# Allegro board reServer industrial J401 Carrier Board v11.brd (continued)
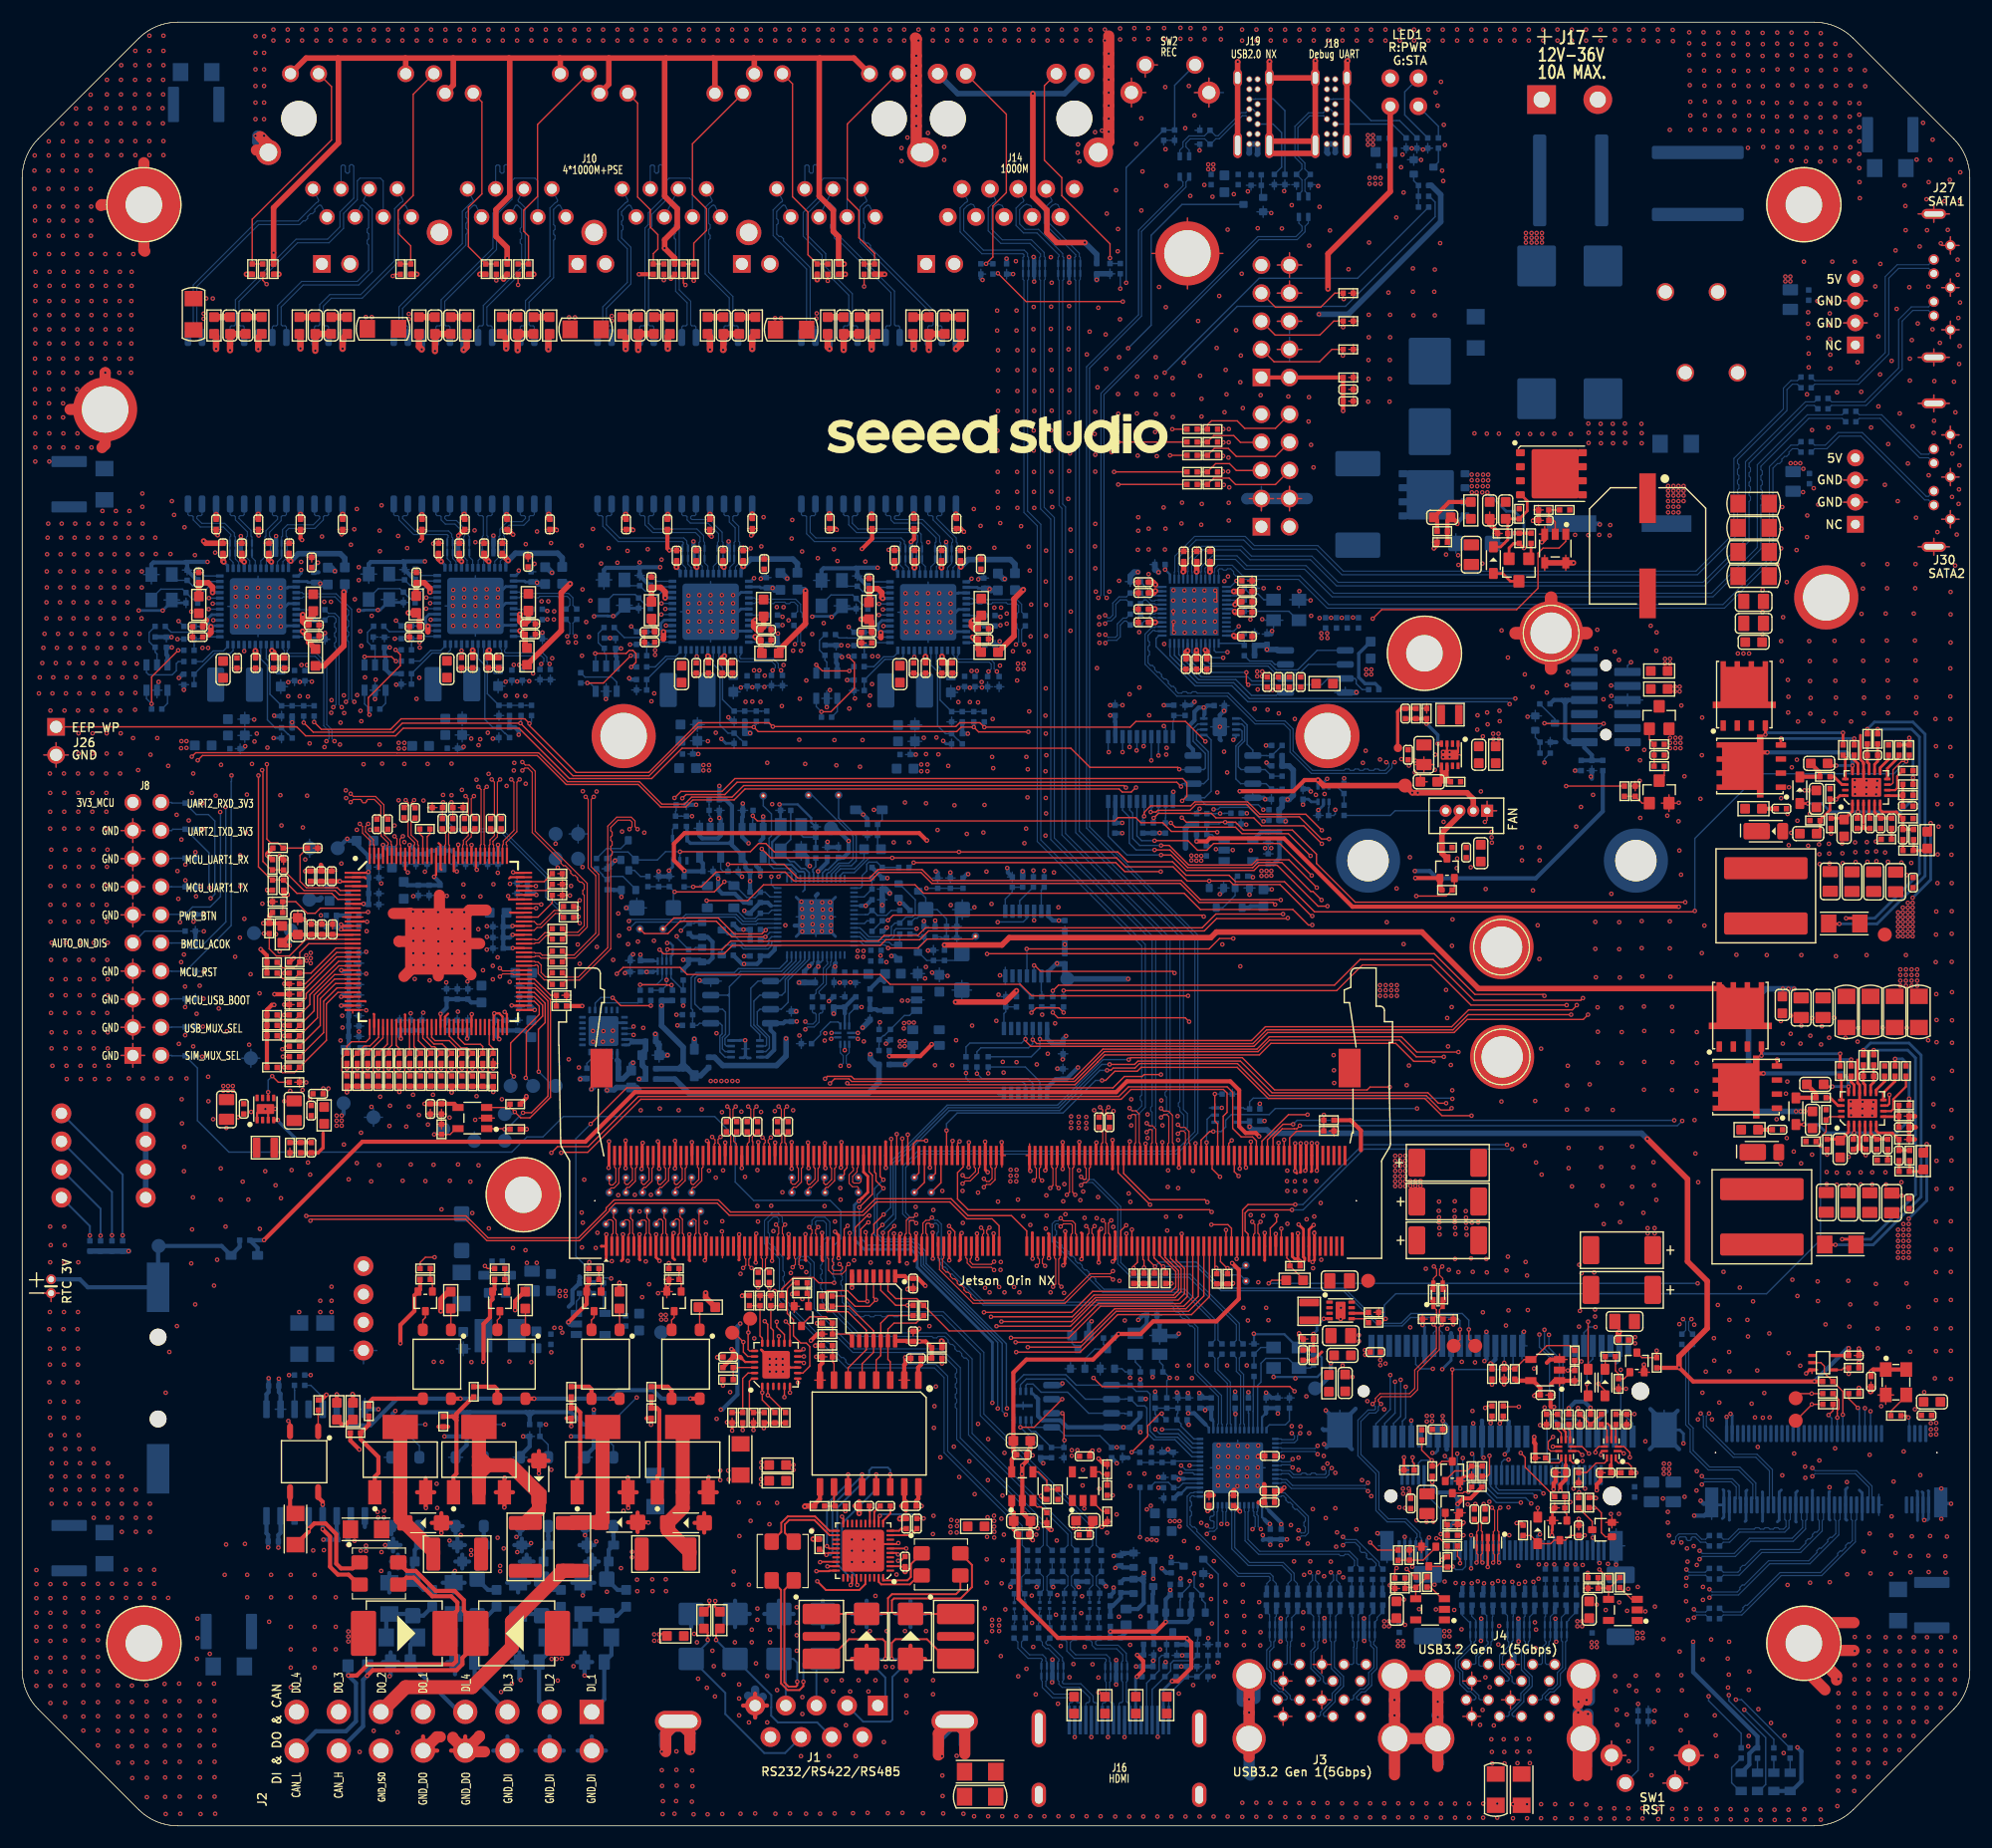
[diagram p0: board, top side]
## Routing (per net, layer and track width the routed paths; a pad name or vN(x,y) marks a point on that pad's centre or on a via; arc(x,y) is an arc through that point) (continued)
MXA_P_31560075: length 15.5
  BOTTOM w0.102: T4.13 70.41,135.46 70.51,135.56 70.78,135.56 70.88,135.66 70.88,140.69 67.86,143.71 67.86,146.03 68.53,146.7 68.66,146.76 68.71,146.9 J10.D1
MXB_N: length 26.4
  BOTTOM w0.102: T1.17 20.07,135.46 19.97,135.56 19.7,135.56 19.6,135.66 19.6,137.77 24.89,143.06 27.74,143.06 29.04,144.37 29.04,145.71 30.29,146.96 30.29,148.66 30.52,148.9 32.38,148.9 32.63,148.64 J10.A6
MXB_N_31552088: length 22.8
  BOTTOM w0.102: T2.17 38.66,135.46 38.56,135.56 38.29,135.56 38.19,135.66 38.19,137.77 42.87,142.45 42.87,145.6 44.26,146.99 44.26,148.66 44.49,148.9 46.35,148.9 46.6,148.64 J10.B6
MXB_N_31557455: length 21
  BOTTOM w0.102: T3.17 57.08,135.46 56.97,135.56 56.71,135.56 56.6,135.66 56.6,144.27 56.91,144.57 56.91,145.64 58.23,146.96 58.23,148.66 58.46,148.9 60.32,148.9 60.57,148.64 J10.C6
MXB_N_31560085: length 22.5
  BOTTOM w0.102: J10.D6 74.54,148.64 74.29,148.9 72.43,148.9 72.2,148.66 72.2,146.96 70.9,145.66 70.9,143.79 72.61,142.08 72.61,140.87 75.02,138.46 75.02,135.66 75.12,135.56 75.39,135.56 75.49,135.46 T4.17
MXB_P: length 26.5
  BOTTOM w0.102: J10.A3 28.82,149.98 28.92,150.08 29.1,150.08 29.2,149.98 29.2,149.48 29.33,149.35 29.47,149.35 29.57,149.46 29.57,150.01 29.68,150.11 29.84,150.11 29.96,149.99 29.96,147.09 28.72,145.85 28.72,144.5 27.6,143.39 24.75,143.39 19.27,137.9 19.27,135.66 19.17,135.56 18.9,135.56 18.8,135.46 T1.16
MXB_P_31552087: length 22.9
  BOTTOM w0.102: J10.B3 42.79,149.98 42.89,150.08 43.07,150.08 43.17,149.98 43.17,149.48 43.3,149.35 43.44,149.35 43.54,149.46 43.54,150.01 43.65,150.11 43.81,150.11 43.93,149.99 43.93,147.12 42.54,145.73 42.54,142.58 37.86,137.9 37.86,135.66 37.76,135.56 37.49,135.56 37.39,135.46 T2.16
MXB_P_31557454: length 21
  BOTTOM w0.102: T3.16 55.81,135.46 55.91,135.56 56.18,135.56 56.28,135.66 56.28,144.4 56.58,144.71 56.58,145.77 57.9,147.09 57.9,149.99 57.78,150.11 57.62,150.11 57.51,150.01 57.51,149.46 57.41,149.35 57.27,149.35 57.14,149.48 57.14,149.98 57.04,150.08 56.86,150.08 56.76,149.98 J10.C3
MXB_P_31560084: length 22.6
  BOTTOM w0.102: J10.D3 70.73,149.98 70.83,150.08 71.01,150.08 71.11,149.98 71.11,149.48 71.24,149.35 71.38,149.35 71.48,149.46 71.48,150.01 71.59,150.11 71.75,150.11 71.87,149.99 71.87,147.09 70.58,145.8 70.58,143.65 72.29,141.95 72.29,140.74 74.69,138.33 74.69,135.66 74.59,135.56 74.32,135.56 74.22,135.46 T4.16
MXC_N: length 20.6
  BOTTOM w0.102: T1.20 23.88,135.46 23.78,135.56 23.51,135.56 23.41,135.66 23.41,137.26 25.39,139.25 30.42,139.25 31.64,140.46 31.64,146.1 31.06,146.67 30.89,146.76 30.84,146.9 J10.A5
MXC_N_31552098: length 15.6
  BOTTOM w0.102: J10.B5 44.81,146.9 44.86,146.76 44.99,146.7 45.46,146.23 45.46,140.72 42,137.26 42,135.66 42.1,135.56 42.37,135.56 42.47,135.46 T2.20
MXC_N_31557465: length 14.6
  BOTTOM w0.102: J10.C5 58.78,146.9 58.83,146.76 58.96,146.7 59.38,146.28 59.38,138.81 60.41,137.78 60.41,135.66 60.52,135.56 60.78,135.56 60.89,135.46 T3.20
MXC_N_31560095: length 16.4
  BOTTOM w0.102: T4.20 79.3,135.46 79.2,135.56 78.93,135.56 78.83,135.66 78.83,138.69 73.49,144.03 73.49,146.15 72.97,146.67 72.8,146.76 72.75,146.9 J10.D5
MXC_P: length 20.4
  BOTTOM w0.102: T1.19 22.61,135.46 22.71,135.56 22.98,135.56 23.08,135.66 23.08,137.39 25.26,139.57 30.29,139.57 31.31,140.59 31.31,142.85 31.18,142.98 31.18,143.28 31.31,143.41 31.31,143.87 31.18,144 31.18,144.3 31.31,144.43 31.31,145.97 30.87,146.41 30.74,146.47 30.61,146.43 J10.A4
MXC_P_31552090: length 15.5
  BOTTOM w0.102: T2.19 41.2,135.46 41.3,135.56 41.57,135.56 41.67,135.66 41.67,137.39 45.13,140.85 45.13,142.9 45.01,143.03 45.01,143.33 45.13,143.46 45.13,143.92 45.01,144.05 45.01,144.35 45.13,144.48 45.13,146.09 44.79,146.43 44.71,146.47 44.58,146.43 J10.B4
MXC_P_31557457: length 14.4
  BOTTOM w0.102: J10.C4 58.55,146.43 58.68,146.47 58.76,146.43 59.05,146.14 59.05,144.78 58.92,144.66 58.92,144.35 59.05,144.22 59.05,143.92 58.92,143.79 58.92,143.49 59.05,143.36 59.05,138.68 60.09,137.64 60.09,135.66 59.99,135.56 59.72,135.56 59.62,135.46 T3.19
MXC_P_31560087: length 16.3
  BOTTOM w0.102: J10.D4 72.52,146.43 72.65,146.47 72.72,146.44 72.78,146.41 73.17,146.02 73.17,144.83 73.04,144.71 73.04,144.4 73.17,144.27 73.17,143.89 73.38,143.68 73.38,143.5 73.6,143.28 73.78,143.28 78.5,138.56 78.5,135.66 78.4,135.56 78.13,135.56 78.03,135.46 T4.19
MXD_N: length 18.5
  BOTTOM w0.102: J10.A8 34.65,146.43 34.52,146.47 34.39,146.41 33.98,146 33.98,145.21 34.1,145.09 34.1,144.78 33.98,144.66 33.98,144.35 34.1,144.22 34.1,143.92 33.98,143.79 33.98,141.3 30.73,138.05 27.93,138.05 27.22,137.34 27.22,135.66 27.32,135.56 27.59,135.56 27.69,135.46 T1.23
MXD_N_31552110: length 15
  BOTTOM w0.102: J10.B8 48.62,146.43 48.49,146.47 48.42,146.44 48.36,146.41 48.02,146.07 48.02,144.71 48.15,144.58 48.15,144.27 48.02,144.15 48.02,143.84 48.15,143.72 48.15,143.41 48.02,143.28 48.02,139.9 45.81,137.69 45.81,135.66 45.91,135.56 46.18,135.56 46.28,135.46 T2.23
MXD_N_31557477: length 14.9
  BOTTOM w0.102: J10.C8 62.59,146.43 62.46,146.47 62.33,146.41 62.04,146.12 62.04,144.81 62.17,144.68 62.17,144.38 62.04,144.25 62.04,143.87 62.17,143.74 62.17,143.44 62.04,143.31 62.04,140.39 64.22,138.21 64.22,135.66 64.33,135.56 64.59,135.56 64.7,135.46 T3.23
MXD_N_31560107: length 16.7
  BOTTOM w0.102: T4.23 83.11,135.46 83.01,135.56 82.74,135.56 82.64,135.66 82.64,136.66 76.66,142.64 76.66,142.82 76.44,143.04 76.26,143.04 76.04,143.26 76.04,144.3 76.17,144.43 76.17,144.73 76.04,144.86 76.04,146.15 76.3,146.41 76.43,146.47 76.56,146.43 J10.D8
MXD_P: length 18.7
  BOTTOM w0.102: T1.22 26.42,135.46 26.52,135.56 26.79,135.56 26.89,135.66 26.89,137.47 27.8,138.38 30.59,138.38 33.65,141.44 33.65,146.13 34.2,146.67 34.37,146.76 34.42,146.9 J10.A7
MXD_P_31552108: length 15.1
  BOTTOM w0.102: T2.22 45.01,135.46 45.11,135.56 45.38,135.56 45.48,135.66 45.48,137.82 47.7,140.04 47.7,146.21 48.17,146.67 48.34,146.76 48.39,146.9 J10.B7
MXD_P_31557475: length 15.1
  BOTTOM w0.102: T3.22 63.43,135.46 63.53,135.56 63.8,135.56 63.9,135.66 63.9,138.07 61.72,140.25 61.72,146.26 62.14,146.67 62.31,146.76 62.36,146.9 J10.C7
MXD_P_31560105: length 16.9
  BOTTOM w0.102: T4.22 81.84,135.46 81.94,135.56 82.21,135.56 82.31,135.66 82.31,136.52 75.71,143.12 75.71,146.28 76.11,146.67 76.28,146.76 76.33,146.9 J10.D7
P2T0_N: length 2.3
  TOP w0.107: C405.1 64.04,62.32 64.04,61.84 64.03,61.83 J9.46
P2T0_P: length 2.3
  TOP w0.107: C404.1 64.3,62.46 64.3,61.86 64.53,61.64 J9.48
P3T0_N: length 2.3
  TOP w0.107: J9.64 68.53,61.64 68.65,61.75 68.65,62.33 C407.1
P3T0_P: length 2.3
  TOP w0.107: C406.1 68.92,62.42 68.92,61.75 69.03,61.64 J9.66
P_RXN0: length 2.3
  BOTTOM w0.107: C555.2 101.42,108.88 101.84,108.88 102.18,109.23 102.33,109.23 102.4,109.16 U76.17
P_RXP0: length 2.3
  BOTTOM w0.107: C556.2 101.41,109.15 101.73,109.15 102.07,109.5 102.33,109.5 102.4,109.56 U76.18
P_TXN0: length 2.3
  BOTTOM w0.107: C557.2 101.4,110.79 101.57,110.79 101.93,110.43 102.33,110.43 102.4,110.36 U76.20
P_TXP0: length 2.3
  BOTTOM w0.107: U76.21 102.4,110.76 102.33,110.7 102.05,110.7 101.69,111.06 101.41,111.06 C558.2
PCIE0_CLK_N: length 95.5
  TOP w0.107: v1(94.4,57.03) 94.65,57.27 94.65,59.41 94.53,59.53 J9.160
  LAY4 w0.084: v1(94.4,57.03) 94.66,56.76 94.66,53.41 96.38,51.7 96.38,50.35 98.62,48.11 150.11,48.11 155.33,42.89 155.33,36.53 160.02,31.85 161.5,31.85 v1(161.76,31.58)
  BOTTOM w0.107: J21.53 166.77,29.46 166.89,29.57 166.89,30.59 165.65,31.83 162.01,31.83 v1(161.76,31.58)
PCIE0_CLK_P: length 95.5
  TOP w0.107: J9.162 95.03,59.53 94.92,59.41 94.92,57.27 v1(95.16,57.03)
  LAY4 w0.084: v1(95.16,57.03) 94.9,56.76 94.9,53.51 96.61,51.79 96.61,50.45 98.72,48.35 150.2,48.35 155.57,42.98 155.57,36.63 160.11,32.08 161.5,32.08 v1(161.76,32.34)
  BOTTOM w0.107: v1(161.76,32.34) 162.01,32.1 165.76,32.1 167.16,30.71 167.16,29.57 167.27,29.46 J21.55
PCIE0_CLKREQ: length 81.2
  TOP w0.127: J9.180 99.53,58.96 101.9,56.59 106.87,56.59 v1(107.1,56.36)
  LAY4 w0.127: v1(107.1,56.36) 107.08,56.34 107.08,55.22 107.48,54.82 108.38,54.82 110.64,52.56 153.13,52.56 164.51,41.17 164.51,40.08 166.52,38.07 v1(166.52,37.75)
  BOTTOM w0.127: J21.52 v1(166.52,37.75)
PCIE0_RST: length 78.7
  TOP w0.127: R217.2 165.05,38.61 v1(165.88,37.78) ; J9.181 v1(99.78,53.52)
  LAY4 w0.127: v1(99.78,53.52) 101,52.3 152.87,52.3 164.15,41.02 164.15,39.93 165.88,38.2 v1(165.88,37.78)
  BOTTOM w0.127: J21.50 166.02,37.63 v1(165.88,37.78)
PCIE0_RX0_N: length 103.9
  TOP w0.107: J9.131 85.28,51.33 85.4,51.21 85.4,50.87 85.79,50.47 87.58,50.47 v1(87.83,50.23)
  LAY4 w0.084: v1(152.47,21.38) 152.21,21.12 149.72,21.12 149.5,21.33 149.5,21.51 149.28,21.73 149.11,21.73 148.89,21.95 148.89,22.12 148.67,22.34 148.49,22.34 148.28,22.56 148.28,22.74 148.06,22.95 147.88,22.95 147.67,23.17 147.67,23.35 147.45,23.56 147.27,23.56 146.19,24.64 146.19,30.66 144.34,32.51 134.35,32.51 132.16,34.7 122.98,34.7 116.48,41.2 95.27,41.2 87.12,49.35 87.12,50.37 87.24,50.49 87.56,50.49 v1(87.83,50.23)
  BOTTOM w0.107: v1(152.47,21.38) 152.71,21.14 154.98,21.14 155.22,21.37 155.22,21.55 155.43,21.76 155.61,21.76 157.8,23.95 161.43,23.95 162.18,24.7 162.18,24.88 162.39,25.09 162.57,25.09 163.15,25.67 163.15,25.85 163.37,26.07 163.55,26.07 163.89,26.41 163.89,27.58 163.77,27.7 J21.41
PCIE0_RX0_P: length 103.9
  TOP w0.107: v1(87.83,50.99) 87.58,50.74 85.9,50.74 85.67,50.98 85.67,51.21 85.78,51.33 J9.133
  LAY4 w0.084: v1(152.47,20.62) 152.21,20.88 149.62,20.88 145.96,24.54 145.96,30.56 144.24,32.28 134.25,32.28 132.06,34.46 122.88,34.46 116.38,40.97 95.17,40.97 86.89,49.25 86.89,50.47 87.14,50.73 87.56,50.73 v1(87.83,50.99)
  BOTTOM w0.107: J21.43 164.27,27.7 164.16,27.58 164.16,26.29 161.55,23.69 157.91,23.69 155.09,20.87 152.71,20.87 v1(152.47,20.62)
PCIE0_RX1_N: length 99.4
  TOP w0.107: J9.137 86.78,53.44 86.9,53.55 86.9,53.81 v1(86.65,54.06)
  LAY4 w0.084: v1(86.65,54.06) 86.91,54.32 86.91,54.8 87.24,55.13 87.97,55.13 90.06,53.04 90.06,49.1 95.98,43.18 96.28,43.18 96.41,43.31 96.72,43.31 96.84,43.18 97.15,43.18 97.27,43.31 97.58,43.31 97.71,43.18 98.01,43.18 98.14,43.31 98.44,43.31 98.57,43.18 98.87,43.18 99,43.31 99.31,43.31 99.43,43.18 118.97,43.18 124.43,37.72 129.64,37.72 130.37,36.98 143.88,36.98 147.85,33.02 147.85,26.19 149.44,24.6 151.32,24.6 v1(151.58,24.86)
  BOTTOM w0.107: v1(151.58,24.86) 151.82,24.62 154.7,24.62 156.07,25.99 159.94,25.99 160.89,26.94 160.89,27.58 160.77,27.7 J21.29
PCIE0_RX1_P: length 99.5
  TOP w0.107: v1(87.41,54.06) 87.17,53.81 87.17,53.55 87.28,53.44 J9.139
  LAY4 w0.084: v1(151.58,24.1) 151.32,24.36 149.34,24.36 147.61,26.09 147.61,32.92 143.78,36.75 143.48,36.75 143.35,36.62 143.05,36.62 142.92,36.75 142.62,36.75 142.49,36.62 142.18,36.62 142.06,36.75 141.75,36.75 141.63,36.62 141.32,36.62 141.19,36.75 140.89,36.75 140.76,36.62 140.46,36.62 140.33,36.75 130.28,36.75 129.54,37.49 124.33,37.49 118.87,42.95 95.88,42.95 89.82,49 89.82,52.94 87.88,54.89 87.34,54.89 87.15,54.7 87.15,54.32 v1(87.41,54.06)
  BOTTOM w0.107: v1(151.58,24.1) 151.82,24.35 154.82,24.35 156.19,25.72 160.05,25.72 161.16,26.83 161.16,27.58 161.27,27.7 J21.31
PCIE0_RX2_N: length 80.5
  TOP w0.107: J9.149 91.78,51.33 91.92,51.19 91.92,50.85 v1(91.68,50.6)
  LAY4 w0.084: v1(151.68,37.27) 151.94,37.53 151.94,37.87 151.79,38.02 149.37,38.02 147.04,40.36 126.64,40.36 120.8,46.2 97.33,46.2 93.77,49.75 92.13,49.75 91.91,49.98 91.91,50.37 v1(91.68,50.6)
  BOTTOM w0.107: v1(151.68,37.27) 151.92,37.03 151.92,36.01 154.62,33.31 156.66,33.31 157.89,32.08 157.89,29.57 157.77,29.46 J21.17
PCIE0_RX2_P: length 80.5
  TOP w0.107: v1(92.43,50.6) 92.19,50.85 92.19,51.24 92.28,51.33 J9.151
  LAY4 w0.084: v1(152.43,37.27) 152.17,37.53 152.17,37.97 151.88,38.25 149.47,38.25 147.13,40.59 126.74,40.59 120.9,46.43 97.43,46.43 93.87,49.99 92.23,49.99 92.15,50.07 92.15,50.32 v1(92.43,50.6)
  BOTTOM w0.107: v1(152.43,37.27) 152.19,37.03 152.19,36.12 154.73,33.58 156.77,33.58 158.16,32.19 158.16,29.57 158.27,29.46 J21.19
PCIE0_RX3_N: length 76
  TOP w0.107: v1(93.15,48.72) 93.4,48.96 93.4,51.21 93.28,51.33 J9.155
  LAY4 w0.084: v1(93.15,48.72) 93.39,48.48 93.39,47.93 96.39,44.93 120.82,44.93 126.5,39.25 144.25,39.25 150.41,33.1 150.41,31.8 151.1,31.11 151.52,31.11 v1(151.78,30.85)
  BOTTOM w0.107: J21.5 154.77,29.46 154.89,29.57 154.89,30.64 154.43,31.09 152.03,31.09 v1(151.78,30.85)
PCIE0_RX3_P: length 76.1
  TOP w0.107: J9.157 93.78,51.33 93.67,51.21 93.67,48.96 v1(93.91,48.72)
  LAY4 w0.084: v1(151.78,31.61) 151.52,31.35 151.2,31.35 150.64,31.9 150.64,33.19 144.35,39.49 126.59,39.49 120.92,45.16 96.49,45.16 93.62,48.03 93.62,48.43 v1(93.91,48.72)
  BOTTOM w0.107: v1(151.78,31.61) 152.03,31.36 154.54,31.36 155.16,30.75 155.16,29.57 155.27,29.46 J21.7
PCIE0_TX0_M2_N: length 18.4
  BOTTOM w0.107: C264.1 153.72,19.33 155.28,19.33 155.5,19.54 155.5,19.72 155.71,19.94 155.89,19.94 158.84,22.89 162.5,22.89 164.06,24.44 164.06,24.62 164.27,24.84 164.45,24.84 164.78,25.16 164.78,25.34 164.99,25.56 165.17,25.56 165.39,25.77 165.39,27.58 165.27,27.7 J21.47
PCIE0_TX0_M2_P: length 18.5
  BOTTOM w0.107: C265.1 153.72,19.06 155.39,19.06 158.96,22.62 162.61,22.62 165.66,25.66 165.66,27.58 165.77,27.7 J21.49
PCIE0_TX0_N: length 97.5
  TOP w0.107: J9.134 86.03,59.53 86.15,59.41 86.15,59.13 85.56,58.55 85.22,58.55 v1(84.98,58.79)
  LAY4 w0.084: v1(84.98,58.79) 85.25,58.52 85.52,58.52 85.74,58.3 85.74,56.97 84.45,55.68 84.45,50.68 95.17,39.96 116.45,39.96 122.47,33.94 125.95,33.94 127.2,32.69 132.88,32.69 134.38,31.19 144.42,31.19 145.25,30.36 145.25,24.16 147.66,21.75 147.84,21.75 148.05,21.54 148.05,21.36 148.27,21.14 148.45,21.14 148.66,20.93 148.66,20.75 148.88,20.53 149.06,20.53 149.28,20.32 149.28,20.14 149.49,19.92 149.67,19.92 149.89,19.71 149.89,19.53 150.1,19.31 150.81,19.31 v1(151.07,19.57)
  BOTTOM w0.107: v1(151.07,19.57) 151.31,19.33 152.12,19.33 C264.2
PCIE0_TX0_P: length 97.6
  TOP w0.107: v1(84.98,58.04) 85.22,58.28 85.68,58.28 86.42,59.02 86.42,59.41 86.53,59.53 J9.136
  LAY4 w0.084: v1(151.07,18.81) 150.81,19.07 150,19.07 145.02,24.06 145.02,30.26 144.32,30.96 134.29,30.96 132.79,32.46 127.1,32.46 125.85,33.7 122.37,33.7 116.35,39.72 95.07,39.72 84.21,50.58 84.21,55.78 85.51,57.07 85.51,58.2 85.42,58.29 85.23,58.29 v1(84.98,58.04)
  BOTTOM w0.107: v1(151.07,18.81) 151.31,19.06 152.12,19.06 C265.2
PCIE0_TX1_M2_N: length 13.3
  BOTTOM w0.107: J21.35 162.27,27.7 162.39,27.58 162.39,26.76 162.17,26.55 161.99,26.55 161.78,26.33 161.78,26.15 161.56,25.93 161.38,25.93 161.16,25.72 161.16,25.54 160.6,24.97 157.09,24.97 155.65,23.53 155.47,23.53 155.25,23.31 155.25,23.13 155.04,22.92 153.73,22.92 C276.1
PCIE0_TX1_M2_P: length 13.5
  BOTTOM w0.107: C277.1 153.73,22.65 155.15,22.65 157.2,24.7 160.71,24.7 162.66,26.65 162.66,27.58 162.77,27.7 J21.37
PCIE0_TX1_N: length 95.9
  TOP w0.107: J9.140 87.53,59.53 87.65,59.41 87.65,58.5 87.38,58.23 87.15,58.23 v1(86.91,58.48)
  LAY4 w0.084: v1(150.39,23.16) 150.12,22.9 149.58,22.9 149.34,23.15 149.34,23.33 149.12,23.54 148.94,23.54 148.63,23.86 148.63,24.04 148.41,24.25 148.23,24.25 147.88,24.61 147.88,24.79 147.66,25 147.48,25 147.03,25.45 147.03,32.57 143.81,35.79 123.41,35.79 116.93,42.27 95.55,42.27 89.2,48.62 89.2,51.77 88.26,52.71 86.07,52.71 85.77,53.01 85.77,55.09 87.88,57.21 87.88,57.89 87.55,58.22 87.17,58.22 v1(86.91,58.48)
  BOTTOM w0.107: C276.2 152.44,23.26 152.09,22.92 150.63,22.92 v1(150.39,23.16)
PCIE0_TX1_P: length 96
  TOP w0.107: J9.142 88.03,59.53 87.92,59.41 87.92,58.39 87.49,57.97 87.15,57.97 v1(86.91,57.72)
  LAY4 w0.084: v1(150.39,22.4) 150.12,22.67 149.49,22.67 146.8,25.36 146.8,32.47 143.71,35.55 123.31,35.55 116.84,42.03 95.45,42.03 88.96,48.52 88.96,51.67 88.16,52.47 85.97,52.47 85.53,52.91 85.53,55.19 87.65,57.3 87.65,57.79 87.45,57.98 87.17,57.98 v1(86.91,57.72)
  BOTTOM w0.107: v1(150.39,22.4) 150.63,22.65 152.11,22.65 C277.2 152.48,22.3
PCIE0_TX2_M2_N: length 8.9
  BOTTOM w0.107: J21.23 159.27,27.7 159.39,27.58 159.39,27.04 159.16,26.82 158.79,26.82 158.67,26.94 158.36,26.94 158.23,26.82 157.93,26.82 157.8,26.94 157.5,26.94 157.37,26.82 157.07,26.82 156.94,26.94 156.63,26.94 156.51,26.82 155.1,26.82 154.18,25.9 153.72,25.9 C283.1
PCIE0_TX2_M2_P: length 9.1
  BOTTOM w0.107: C284.1 153.72,25.63 154.3,25.63 155.21,26.55 159.28,26.55 159.66,26.93 159.66,27.58 159.77,27.7 J21.25
PCIE0_TX2_N: length 89.2
  TOP w0.107: v1(91.4,58.32) 91.65,58.56 91.65,59.41 91.53,59.53 J9.148
  LAY4 w0.084: v1(91.4,58.32) 91.66,58.06 91.66,53.32 90.69,52.34 90.69,49.31 96.17,43.83 119.15,43.83 124.72,38.26 140.34,38.26 140.47,38.14 140.77,38.14 140.9,38.26 141.2,38.26 141.33,38.14 141.64,38.14 141.76,38.26 142.07,38.26 142.2,38.14 142.5,38.14 142.63,38.26 142.93,38.26 143.06,38.14 143.36,38.14 143.49,38.26 143.8,38.26 149.44,32.62 149.44,25.87 v1(149.18,25.61)
  BOTTOM w0.107: v1(149.18,25.61) 149.42,25.85 149.42,26.12 149.68,26.38 151.28,26.38 151.77,25.9 152.12,25.9 C283.2
PCIE0_TX2_P: length 89.2
  TOP w0.107: J9.150 92.03,59.53 91.92,59.41 91.92,58.56 v1(92.16,58.32)
  LAY4 w0.084: v1(149.93,25.61) 149.67,25.87 149.67,32.72 143.89,38.5 124.82,38.5 119.25,44.06 100.07,44.06 99.94,44.19 99.64,44.19 99.51,44.06 98.86,44.06 98.73,44.19 98.42,44.19 98.3,44.06 97.99,44.06 97.87,44.19 97.56,44.19 97.43,44.06 97.13,44.06 97,44.19 96.7,44.19 96.57,44.06 96.26,44.06 90.92,49.41 90.92,52.25 91.9,53.22 91.9,58.06 v1(92.16,58.32)
  BOTTOM w0.107: v1(149.93,25.61) 149.69,25.85 149.69,26.01 149.8,26.11 150.29,26.11 150.39,26.01 150.39,25.89 150.5,25.78 150.71,25.78 150.82,25.89 150.82,26.01 150.93,26.11 151.17,26.11 151.66,25.63 152.12,25.63 C284.2
PCIE0_TX3_M2_N: length 18.8
  BOTTOM w0.107: J21.11 156.27,29.46 156.39,29.57 156.39,30.87 155.09,32.16 152.37,32.16 150.73,33.81 150.73,35.83 150.32,36.23 150.32,43.16 C259.1
PCIE0_TX3_M2_P: length 18.8
  BOTTOM w0.107: C258.1 150.59,43.16 150.59,36.34 150.99,35.94 150.99,33.92 152.49,32.43 155.2,32.43 156.66,30.98 156.66,29.57 156.77,29.46 J21.13
PCIE0_TX3_N: length 70.4
  TOP w0.107: v1(92.9,57.64) 93.15,57.88 93.15,59.41 93.03,59.53 J9.154
  LAY4 w0.084: v1(92.9,57.64) 93.16,57.37 93.16,52.32 98.22,47.26 149.4,47.26 150.34,46.33 150.34,46.06 v1(150.08,45.8)
  BOTTOM w0.107: C259.2 150.32,44.78 150.32,45.55 v1(150.08,45.8)
PCIE0_TX3_P: length 70.4
  TOP w0.107: v1(93.66,57.64) 93.42,57.88 93.42,59.41 93.53,59.53 J9.156
  LAY4 w0.084: v1(150.84,45.8) 150.58,46.06 150.58,46.42 149.5,47.5 98.32,47.5 93.4,52.42 93.4,57.37 v1(93.66,57.64)
  BOTTOM w0.107: v1(150.84,45.8) 150.59,45.55 150.59,44.78 C258.2
PCIE1_CLK_N: length 120.6
  TOP w0.107: J9.173 97.78,53.44 97.9,53.55 97.9,54.47 v1(97.65,54.71)
  LAY4 w0.084: v1(97.65,54.71) 97.91,54.97 97.91,57.14 97.79,57.27 97.79,57.58 97.91,57.7 97.91,58.01 97.79,58.14 97.79,58.44 97.91,58.57 97.91,58.87 97.41,59.37 97.23,59.37 97.02,59.59 97.02,59.77 96.8,59.98 96.62,59.98 96.41,60.2 96.41,60.38 96.19,60.59 69.17,60.59 68.41,59.84 52.35,59.84 47.36,64.82 47.18,64.82 46.96,65.04 46.96,65.22 46.75,65.43 46.57,65.43 46.35,65.65 46.35,65.83 46.14,66.04 45.96,66.04 45.74,66.26 45.74,66.44 45.53,66.65 45.35,66.65 45.13,66.87 45.13,67.05 44.92,67.27 44.92,70.59 43.99,71.52 33.96,71.52 30.21,75.27 30.21,84.56 27.75,87.03 27.75,97.77 v1(27.5,98.02)
  BOTTOM w0.107: v1(27.5,98.02) 27.73,98.25 27.73,98.93 27.26,99.41 27.26,104.92 26.48,105.69 23.95,105.69 23.68,105.95 23.68,106.23 23.57,106.35 U38.26
PCIE1_CLK_P: length 120.6
  TOP w0.107: v1(98.41,54.71) 98.17,54.47 98.17,53.55 98.28,53.44 J9.175
  LAY4 w0.084: v1(28.23,98.02) 27.98,97.77 27.98,87.12 30.45,84.66 30.45,75.36 31.61,74.2 31.79,74.2 32.01,73.99 32.01,73.81 32.22,73.59 32.4,73.59 32.62,73.37 32.62,73.19 32.83,72.98 33.01,72.98 33.23,72.76 33.23,72.58 33.44,72.37 33.62,72.37 33.84,72.15 33.84,71.97 34.05,71.76 44.09,71.76 45.15,70.69 45.15,67.36 50,62.52 50.18,62.52 50.4,62.3 50.4,62.12 50.61,61.9 50.79,61.9 51.01,61.69 51.01,61.51 51.22,61.29 51.4,61.29 51.62,61.08 51.62,60.9 51.83,60.68 52.01,60.68 52.23,60.47 52.23,60.29 52.44,60.07 68.32,60.07 69.07,60.83 96.29,60.83 98.15,58.97 98.15,54.97 v1(98.41,54.71)
  BOTTOM w0.107: U38.25 24.07,106.35 23.95,106.23 23.95,106.07 24.06,105.96 26.59,105.96 27.53,105.03 27.53,99.52 28,99.05 28,98.25 v1(28.23,98.02)
PCIE1_CLKREQ: length 137
  TOP w0.127: v1(15.87,96.29) 16.3,96.73 46.55,96.73 49.16,94.11 55.66,94.11 57.7,92.08 59.97,92.08 60.6,92.71 64.33,92.71 65.32,93.7 99.13,93.7 99.41,93.42 100.22,93.42 100.63,93.83 v1(100.65,93.83) ; v1(100.09,61.85) 100.03,61.79 J9.182
  LAY3 w0.127: v1(15.87,96.29) 15.74,96.42 15.74,108.83 v1(16.86,109.95) ; v1(100.09,61.85) 99.54,62.4 99.54,87.72 100.04,88.22 100.04,93.22 v1(100.65,93.83)
  BOTTOM w0.127: U38.42 v1(16.86,109.95)
PCIE1_RST: length 145.3
  TOP w0.127: J9.183 v1(100.28,53.89) ; v1(99.74,93.83) 99.56,94.01 65.19,94.01 64.15,92.97 60.49,92.97 59.86,92.33 57.8,92.33 55.77,94.36 49.27,94.36 46.66,96.97 33.86,96.97 33.85,96.98 15.69,96.98 v1(15.33,96.62)
  LAY3 w0.127: v1(16.88,110.95) 16.88,110.61 15.33,109.07 v1(15.33,96.62) ; v1(99.74,93.83) 99.79,93.78 99.79,88.32 99.29,87.82 99.29,55.72 100.28,54.74 v1(100.28,53.89)
  BOTTOM w0.127: U38.44 v1(16.88,110.95)
PCIE1_RX0_N: length 122.5
  TOP w0.107: v1(96.15,54.19) 96.4,53.95 96.4,53.55 96.28,53.44 J9.167
  LAY4 w0.084: v1(28.12,101.09) 28.38,100.83 28.38,100.47 26.71,98.81 26.71,86.08 29.45,83.34 29.45,74.38 33.47,70.35 42.67,70.35 43.77,69.25 43.77,66.81 43.99,66.59 43.99,66.41 44.21,66.2 44.38,66.2 44.6,65.98 44.6,65.8 44.82,65.59 45,65.59 45.21,65.37 45.21,65.19 45.43,64.98 45.61,64.98 45.82,64.76 45.82,64.58 46.04,64.36 46.22,64.36 52.8,57.78 67.4,57.78 69.52,59.9 95.45,59.9 96.41,58.93 96.41,58.24 96.29,58.12 96.29,57.81 96.41,57.69 96.41,57.38 96.29,57.25 96.29,56.95 96.41,56.82 96.41,56.52 96.29,56.39 96.29,56.09 96.41,55.96 96.41,55.63 96.29,55.5 96.29,55.2 96.41,55.07 96.41,54.46 v1(96.15,54.19)
  BOTTOM w0.107: v1(28.12,101.09) 28.36,101.34 28.36,106.45 28.24,106.58 28.24,106.89 28.36,107.01 28.36,107.36 28.24,107.49 28.24,107.79 28.36,107.92 28.36,108.23 28.24,108.35 28.24,108.66 28.36,108.78 28.36,109.09 28.15,109.3 27.69,109.3 C165.1
PCIE1_RX0_P: length 122.6
  TOP w0.107: v1(96.91,54.19) 96.67,53.95 96.67,53.55 96.78,53.44 J9.169
  LAY4 w0.084: v1(96.91,54.19) 96.65,54.46 96.65,59.03 95.54,60.13 69.42,60.13 67.3,58.02 56.41,58.02 56.28,58.14 55.97,58.14 55.85,58.02 55.54,58.02 55.41,58.14 55.11,58.14 54.98,58.02 54.63,58.02 54.5,58.14 54.2,58.14 54.07,58.02 53.76,58.02 53.64,58.14 53.33,58.14 53.2,58.02 52.9,58.02 44.01,66.91 44.01,69.34 42.77,70.59 33.57,70.59 33.36,70.8 33.36,70.98 33.14,71.2 32.96,71.2 32.74,71.42 32.74,71.59 32.53,71.81 32.35,71.81 32.13,72.03 32.13,72.21 31.92,72.42 31.74,72.42 31.52,72.64 31.52,72.82 31.31,73.03 31.13,73.03 29.68,74.48 29.68,83.44 26.95,86.18 26.95,98.71 28.61,100.38 28.61,100.83 v1(28.88,101.09)
  BOTTOM w0.107: v1(28.88,101.09) 28.63,101.34 28.63,109.2 28.26,109.57 27.69,109.57 C166.1
PCIE1_TX0_N: length 2.7
  TOP w0.107: J9.172 97.53,61.64 97.65,61.75 97.65,62.79 C143.1
PCIE1_TX0_P: length 2.7
  TOP w0.107: C144.1 97.92,62.78 97.92,61.75 98.03,61.64 J9.174
PCIE2_CLK_N: length 2.3
  TOP w0.107: C402.2 65.7,62.53 65.7,61.81 65.53,61.64 J9.52
PCIE2_CLK_P: length 2.4
  TOP w0.107: C403.2 66.43,62.72 65.97,62.26 65.97,61.89 66.03,61.83 J9.54
PCIE2_CLKREQ: length 145.3
  TOP w0.127: v1(109.75,51.23) 109.78,51.27 J9.221
  LAY3 w0.127: v1(109.75,51.23) 107.95,53.03 107.95,56.73 106.99,57.69 106.99,60.91 107.4,61.31 107.4,62.15 107.11,62.43 107.11,75.13 105.27,76.96 105.27,89.89 105.96,90.58 105.96,96.22 107.41,97.67 107.41,101.02 101.66,106.77 101.66,112.99 v1(101.79,113.12)
  LAY4 w0.127: v1(101.79,113.12) 100.71,112.04 95.47,112.04 94.43,111 86.87,111 85.82,112.05 79.48,112.05 78.78,111.36 78.78,110.14 78.07,109.42 v1(77.41,109.42) 77.39,109.42 77.14,109.67 70.97,109.67 69.81,110.82 67.12,110.82 65.84,112.1 60.51,112.1 58.77,110.36 58.77,109.83 58.4,109.47 v1(57.76,109.47) 57.76,109.5 57.52,109.73 50.07,109.73 47.01,112.79 39.46,112.79 37.41,110.74 37.41,110.37 37.04,109.99 v1(36.5,109.99) 36.5,110
  BOTTOM w0.127: U30.42 v1(36.5,109.99) ; U71.42 v1(77.41,109.42) ; U48.42 v1(57.76,109.47)
PCIE2_RST: length 104.3
  TOP w0.127: v1(107.46,54.33) 108.95,54.33 109.28,54 J9.219 ; U63.10 31.21,82.53 v1(31.26,82.58) ; v1(105.35,75.01) 91.23,75.01 90.19,76.05 78.43,76.05 77.54,76.94 60.09,76.94 59.45,77.57 54.31,77.57 v1(53.74,77)
  LAY3 w0.127: v1(53.74,77) 47.33,77 42.18,82.15 31.69,82.15 v1(31.26,82.58) ; v1(107.46,54.33) 107.45,54.33 106.65,55.12 106.65,73.71 v1(105.35,75.01)
PCIE2_RX0_N: length 66
  TOP w0.107: J9.40 62.53,61.6 62.61,61.68 62.61,62 v1(62.35,62.26) ; v1(29.68,93.27) 29.93,93.03 31.94,93.03 32.68,92.28 32.68,91.36 33.05,91 C388.2
  LAY4 w0.084: v1(29.68,93.27) 29.95,93.01 30.25,93.01 30.5,92.76 30.5,91.9 29.71,91.11 29.71,89.77 33.27,86.21 33.27,79.78 33.39,79.66 33.39,79.35 33.27,79.23 33.27,78.92 33.39,78.79 33.39,78.49 33.27,78.36 33.27,78.06 33.39,77.93 33.39,77.62 33.27,77.5 33.27,77.19 33.39,77.07 33.39,76.76 33.27,76.63 33.27,76.3 34.69,74.88 46.09,74.88 46.9,74.07 46.9,68.92 53.26,62.56 58.95,62.56 59.07,62.69 59.38,62.69 59.5,62.56 59.81,62.56 59.94,62.69 60.24,62.69 60.37,62.56 60.67,62.56 61.1,62.14 61.28,62.14 61.49,61.92 61.49,61.74 61.71,61.52 62.5,61.52 62.61,61.63 62.61,62 v1(62.35,62.26)